# KiCad board testhologram v2.kicad_pcb (continued)
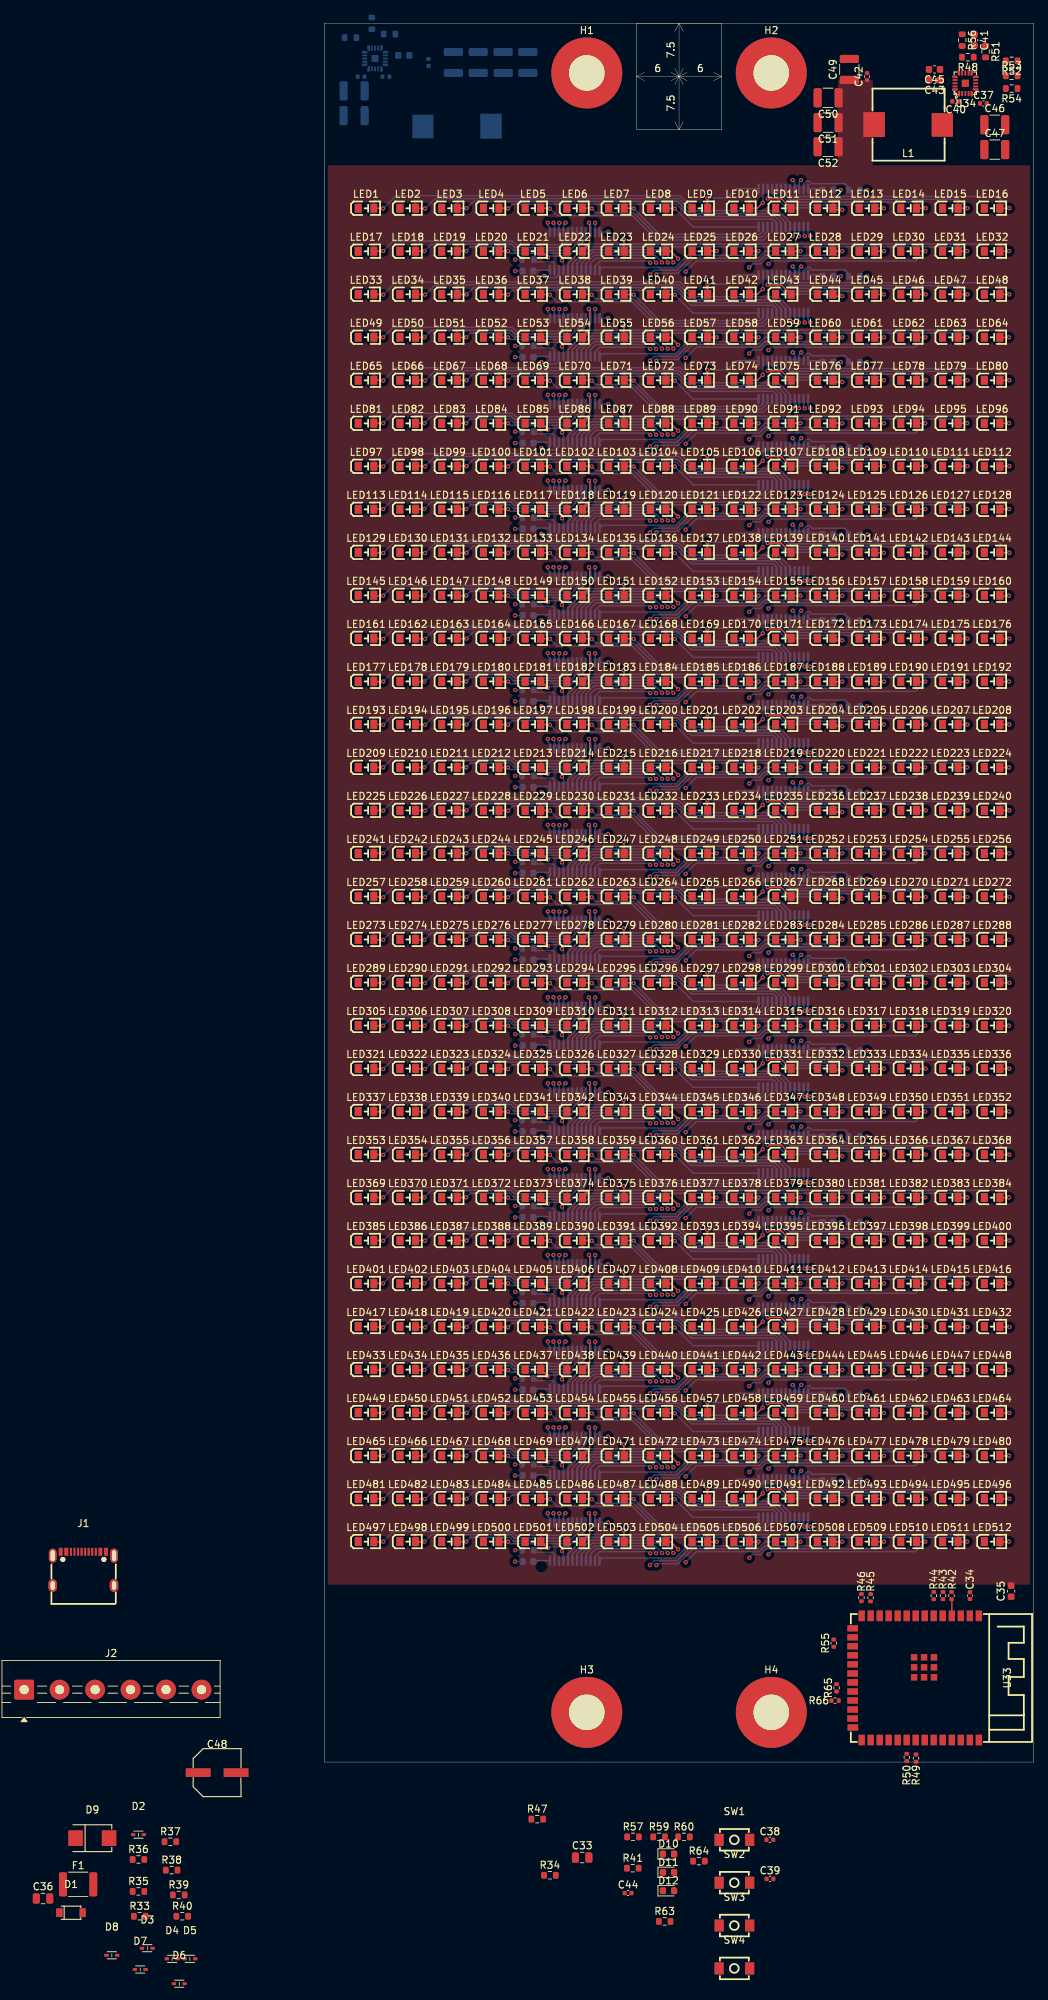
[diagram p0: board, top side]
## Placement (name value [footprint] x y rotation side) (continued)
LED279  0805G (Green)  [LED0805-RD]  41.18 115.91 0 top
LED280  0805G (Green)  [LED0805-RD]  47.06 115.91 0 top
LED281  0805G (Green)  [LED0805-RD]  52.94 115.91 0 top
LED282  0805G (Green)  [LED0805-RD]  58.82 115.91 0 top
LED283  0805G (Green)  [LED0805-RD]  64.71 115.91 0 top
LED284  0805G (Green)  [LED0805-RD]  70.59 115.91 0 top
LED285  0805G (Green)  [LED0805-RD]  76.47 115.91 0 top
LED286  0805G (Green)  [LED0805-RD]  82.35 115.91 0 top
LED287  0805G (Green)  [LED0805-RD]  88.24 115.91 0 top
LED288  0805G (Green)  [LED0805-RD]  94.12 115.91 0 top
LED289  0805G (Green)  [LED0805-RD]  5.88 109.85 0 top
LED290  0805G (Green)  [LED0805-RD]  11.76 109.85 0 top
LED291  0805G (Green)  [LED0805-RD]  17.65 109.85 0 top
LED292  0805G (Green)  [LED0805-RD]  23.53 109.85 0 top
LED293  0805G (Green)  [LED0805-RD]  29.41 109.85 0 top
LED294  0805G (Green)  [LED0805-RD]  35.29 109.85 0 top
LED295  0805G (Green)  [LED0805-RD]  41.18 109.85 0 top
LED296  0805G (Green)  [LED0805-RD]  47.06 109.85 0 top
LED297  0805G (Green)  [LED0805-RD]  52.94 109.85 0 top
LED298  0805G (Green)  [LED0805-RD]  58.82 109.85 0 top
LED299  0805G (Green)  [LED0805-RD]  64.71 109.85 0 top
LED300  0805G (Green)  [LED0805-RD]  70.59 109.85 0 top
LED301  0805G (Green)  [LED0805-RD]  76.47 109.85 0 top
LED302  0805G (Green)  [LED0805-RD]  82.35 109.85 0 top
LED303  0805G (Green)  [LED0805-RD]  88.24 109.85 0 top
LED304  0805G (Green)  [LED0805-RD]  94.12 109.85 0 top
LED305  0805G (Green)  [LED0805-RD]  5.88 103.79 0 top
LED306  0805G (Green)  [LED0805-RD]  11.76 103.79 0 top
LED307  0805G (Green)  [LED0805-RD]  17.65 103.79 0 top
LED308  0805G (Green)  [LED0805-RD]  23.53 103.79 0 top
LED309  0805G (Green)  [LED0805-RD]  29.41 103.79 0 top
LED310  0805G (Green)  [LED0805-RD]  35.29 103.79 0 top
LED311  0805G (Green)  [LED0805-RD]  41.18 103.79 0 top
LED312  0805G (Green)  [LED0805-RD]  47.06 103.79 0 top
LED313  0805G (Green)  [LED0805-RD]  52.94 103.79 0 top
LED314  0805G (Green)  [LED0805-RD]  58.82 103.79 0 top
LED315  0805G (Green)  [LED0805-RD]  64.71 103.79 0 top
LED316  0805G (Green)  [LED0805-RD]  70.59 103.79 0 top
LED317  0805G (Green)  [LED0805-RD]  76.47 103.79 0 top
LED318  0805G (Green)  [LED0805-RD]  82.35 103.79 0 top
LED319  0805G (Green)  [LED0805-RD]  88.24 103.79 0 top
LED320  0805G (Green)  [LED0805-RD]  94.12 103.79 0 top
LED321  0805G (Green)  [LED0805-RD]  5.88 97.73 0 top
LED322  0805G (Green)  [LED0805-RD]  11.76 97.73 0 top
LED323  0805G (Green)  [LED0805-RD]  17.65 97.73 0 top
LED324  0805G (Green)  [LED0805-RD]  23.53 97.73 0 top
LED325  0805G (Green)  [LED0805-RD]  29.41 97.73 0 top
LED326  0805G (Green)  [LED0805-RD]  35.29 97.73 0 top
LED327  0805G (Green)  [LED0805-RD]  41.18 97.73 0 top
LED328  0805G (Green)  [LED0805-RD]  47.06 97.73 0 top
LED329  0805G (Green)  [LED0805-RD]  52.94 97.73 0 top
LED330  0805G (Green)  [LED0805-RD]  58.82 97.73 0 top
LED331  0805G (Green)  [LED0805-RD]  64.71 97.73 0 top
LED332  0805G (Green)  [LED0805-RD]  70.59 97.73 0 top
LED333  0805G (Green)  [LED0805-RD]  76.47 97.73 0 top
LED334  0805G (Green)  [LED0805-RD]  82.35 97.73 0 top
LED335  0805G (Green)  [LED0805-RD]  88.24 97.73 0 top
LED336  0805G (Green)  [LED0805-RD]  94.12 97.73 0 top
LED337  0805G (Green)  [LED0805-RD]  5.88 91.67 0 top
LED338  0805G (Green)  [LED0805-RD]  11.76 91.67 0 top
LED339  0805G (Green)  [LED0805-RD]  17.65 91.67 0 top
LED340  0805G (Green)  [LED0805-RD]  23.53 91.67 0 top
LED341  0805G (Green)  [LED0805-RD]  29.41 91.67 0 top
LED342  0805G (Green)  [LED0805-RD]  35.29 91.67 0 top
LED343  0805G (Green)  [LED0805-RD]  41.18 91.67 0 top
LED344  0805G (Green)  [LED0805-RD]  47.06 91.67 0 top
LED345  0805G (Green)  [LED0805-RD]  52.94 91.67 0 top
LED346  0805G (Green)  [LED0805-RD]  58.82 91.67 0 top
LED347  0805G (Green)  [LED0805-RD]  64.71 91.67 0 top
LED348  0805G (Green)  [LED0805-RD]  70.59 91.67 0 top
LED349  0805G (Green)  [LED0805-RD]  76.47 91.67 0 top
LED350  0805G (Green)  [LED0805-RD]  82.35 91.67 0 top
LED351  0805G (Green)  [LED0805-RD]  88.24 91.67 0 top
LED352  0805G (Green)  [LED0805-RD]  94.12 91.67 0 top
LED353  0805G (Green)  [LED0805-RD]  5.88 85.61 0 top
LED354  0805G (Green)  [LED0805-RD]  11.76 85.61 0 top
LED355  0805G (Green)  [LED0805-RD]  17.65 85.61 0 top
LED356  0805G (Green)  [LED0805-RD]  23.53 85.61 0 top
LED357  0805G (Green)  [LED0805-RD]  29.41 85.61 0 top
LED358  0805G (Green)  [LED0805-RD]  35.29 85.61 0 top
LED359  0805G (Green)  [LED0805-RD]  41.18 85.61 0 top
LED360  0805G (Green)  [LED0805-RD]  47.06 85.61 0 top
LED361  0805G (Green)  [LED0805-RD]  52.94 85.61 0 top
LED362  0805G (Green)  [LED0805-RD]  58.82 85.61 0 top
LED363  0805G (Green)  [LED0805-RD]  64.71 85.61 0 top
LED364  0805G (Green)  [LED0805-RD]  70.59 85.61 0 top
LED365  0805G (Green)  [LED0805-RD]  76.47 85.61 0 top
LED366  0805G (Green)  [LED0805-RD]  82.35 85.61 0 top
LED367  0805G (Green)  [LED0805-RD]  88.24 85.61 0 top
LED368  0805G (Green)  [LED0805-RD]  94.12 85.61 0 top
LED369  0805G (Green)  [LED0805-RD]  5.88 79.55 0 top
LED370  0805G (Green)  [LED0805-RD]  11.76 79.55 0 top
LED371  0805G (Green)  [LED0805-RD]  17.65 79.55 0 top
LED372  0805G (Green)  [LED0805-RD]  23.53 79.55 0 top
LED373  0805G (Green)  [LED0805-RD]  29.41 79.55 0 top
LED374  0805G (Green)  [LED0805-RD]  35.29 79.55 0 top
LED375  0805G (Green)  [LED0805-RD]  41.18 79.55 0 top
LED376  0805G (Green)  [LED0805-RD]  47.06 79.55 0 top
LED377  0805G (Green)  [LED0805-RD]  52.94 79.55 0 top
LED378  0805G (Green)  [LED0805-RD]  58.82 79.55 0 top
LED379  0805G (Green)  [LED0805-RD]  64.71 79.55 0 top
LED380  0805G (Green)  [LED0805-RD]  70.59 79.55 0 top
LED381  0805G (Green)  [LED0805-RD]  76.47 79.55 0 top
LED382  0805G (Green)  [LED0805-RD]  82.35 79.55 0 top
LED383  0805G (Green)  [LED0805-RD]  88.24 79.55 0 top
LED384  0805G (Green)  [LED0805-RD]  94.12 79.55 0 top
LED385  0805G (Green)  [LED0805-RD]  5.88 73.48 0 top
LED386  0805G (Green)  [LED0805-RD]  11.76 73.48 0 top
LED387  0805G (Green)  [LED0805-RD]  17.65 73.48 0 top
LED388  0805G (Green)  [LED0805-RD]  23.53 73.48 0 top
LED389  0805G (Green)  [LED0805-RD]  29.41 73.48 0 top
LED390  0805G (Green)  [LED0805-RD]  35.29 73.48 0 top
LED391  0805G (Green)  [LED0805-RD]  41.18 73.48 0 top
LED392  0805G (Green)  [LED0805-RD]  47.06 73.48 0 top
LED393  0805G (Green)  [LED0805-RD]  52.94 73.48 0 top
LED394  0805G (Green)  [LED0805-RD]  58.82 73.48 0 top
LED395  0805G (Green)  [LED0805-RD]  64.71 73.48 0 top
LED396  0805G (Green)  [LED0805-RD]  70.59 73.48 0 top
LED397  0805G (Green)  [LED0805-RD]  76.47 73.48 0 top
LED398  0805G (Green)  [LED0805-RD]  82.35 73.48 0 top
LED399  0805G (Green)  [LED0805-RD]  88.24 73.48 0 top
LED400  0805G (Green)  [LED0805-RD]  94.12 73.48 0 top
LED401  0805G (Green)  [LED0805-RD]  5.88 67.42 0 top
LED402  0805G (Green)  [LED0805-RD]  11.76 67.42 0 top
LED403  0805G (Green)  [LED0805-RD]  17.65 67.42 0 top
LED404  0805G (Green)  [LED0805-RD]  23.53 67.42 0 top
LED405  0805G (Green)  [LED0805-RD]  29.41 67.42 0 top
LED406  0805G (Green)  [LED0805-RD]  35.29 67.42 0 top
LED407  0805G (Green)  [LED0805-RD]  41.18 67.42 0 top
LED408  0805G (Green)  [LED0805-RD]  47.06 67.42 0 top
LED409  0805G (Green)  [LED0805-RD]  52.94 67.42 0 top
LED410  0805G (Green)  [LED0805-RD]  58.82 67.42 0 top
LED411  0805G (Green)  [LED0805-RD]  64.71 67.42 0 top
LED412  0805G (Green)  [LED0805-RD]  70.59 67.42 0 top
LED413  0805G (Green)  [LED0805-RD]  76.47 67.42 0 top
LED414  0805G (Green)  [LED0805-RD]  82.35 67.42 0 top
LED415  0805G (Green)  [LED0805-RD]  88.24 67.42 0 top
LED416  0805G (Green)  [LED0805-RD]  94.12 67.42 0 top
LED417  0805G (Green)  [LED0805-RD]  5.88 61.36 0 top
LED418  0805G (Green)  [LED0805-RD]  11.76 61.36 0 top
LED419  0805G (Green)  [LED0805-RD]  17.65 61.36 0 top
LED420  0805G (Green)  [LED0805-RD]  23.53 61.36 0 top
LED421  0805G (Green)  [LED0805-RD]  29.41 61.36 0 top
LED422  0805G (Green)  [LED0805-RD]  35.29 61.36 0 top
LED423  0805G (Green)  [LED0805-RD]  41.18 61.36 0 top
LED424  0805G (Green)  [LED0805-RD]  47.06 61.36 0 top
LED425  0805G (Green)  [LED0805-RD]  52.94 61.36 0 top
LED426  0805G (Green)  [LED0805-RD]  58.82 61.36 0 top
LED427  0805G (Green)  [LED0805-RD]  64.71 61.36 0 top
LED428  0805G (Green)  [LED0805-RD]  70.59 61.36 0 top
LED429  0805G (Green)  [LED0805-RD]  76.47 61.36 0 top
LED430  0805G (Green)  [LED0805-RD]  82.35 61.36 0 top
LED431  0805G (Green)  [LED0805-RD]  88.24 61.36 0 top
LED432  0805G (Green)  [LED0805-RD]  94.12 61.36 0 top
LED433  0805G (Green)  [LED0805-RD]  5.88 55.3 0 top
LED434  0805G (Green)  [LED0805-RD]  11.76 55.3 0 top
LED435  0805G (Green)  [LED0805-RD]  17.65 55.3 0 top
LED436  0805G (Green)  [LED0805-RD]  23.53 55.3 0 top
LED437  0805G (Green)  [LED0805-RD]  29.41 55.3 0 top
LED438  0805G (Green)  [LED0805-RD]  35.29 55.3 0 top
LED439  0805G (Green)  [LED0805-RD]  41.18 55.3 0 top
LED440  0805G (Green)  [LED0805-RD]  47.06 55.3 0 top
LED441  0805G (Green)  [LED0805-RD]  52.94 55.3 0 top
LED442  0805G (Green)  [LED0805-RD]  58.82 55.3 0 top
LED443  0805G (Green)  [LED0805-RD]  64.71 55.3 0 top
LED444  0805G (Green)  [LED0805-RD]  70.59 55.3 0 top
LED445  0805G (Green)  [LED0805-RD]  76.47 55.3 0 top
LED446  0805G (Green)  [LED0805-RD]  82.35 55.3 0 top
LED447  0805G (Green)  [LED0805-RD]  88.24 55.3 0 top
LED448  0805G (Green)  [LED0805-RD]  94.12 55.3 0 top
LED449  0805G (Green)  [LED0805-RD]  5.88 49.24 0 top
LED450  0805G (Green)  [LED0805-RD]  11.76 49.24 0 top
LED451  0805G (Green)  [LED0805-RD]  17.65 49.24 0 top
LED452  0805G (Green)  [LED0805-RD]  23.53 49.24 0 top
LED453  0805G (Green)  [LED0805-RD]  29.41 49.24 0 top
LED454  0805G (Green)  [LED0805-RD]  35.29 49.24 0 top
LED455  0805G (Green)  [LED0805-RD]  41.18 49.24 0 top
LED456  0805G (Green)  [LED0805-RD]  47.06 49.24 0 top
LED457  0805G (Green)  [LED0805-RD]  52.94 49.24 0 top
LED458  0805G (Green)  [LED0805-RD]  58.82 49.24 0 top
LED459  0805G (Green)  [LED0805-RD]  64.71 49.24 0 top
LED460  0805G (Green)  [LED0805-RD]  70.59 49.24 0 top
LED461  0805G (Green)  [LED0805-RD]  76.47 49.24 0 top
LED462  0805G (Green)  [LED0805-RD]  82.35 49.24 0 top
LED463  0805G (Green)  [LED0805-RD]  88.24 49.24 0 top
LED464  0805G (Green)  [LED0805-RD]  94.12 49.24 0 top
LED465  0805G (Green)  [LED0805-RD]  5.88 43.18 0 top
LED466  0805G (Green)  [LED0805-RD]  11.76 43.18 0 top
LED467  0805G (Green)  [LED0805-RD]  17.65 43.18 0 top
LED468  0805G (Green)  [LED0805-RD]  23.53 43.18 0 top
LED469  0805G (Green)  [LED0805-RD]  29.41 43.18 0 top
LED470  0805G (Green)  [LED0805-RD]  35.29 43.18 0 top
LED471  0805G (Green)  [LED0805-RD]  41.18 43.18 0 top
LED472  0805G (Green)  [LED0805-RD]  47.06 43.18 0 top
LED473  0805G (Green)  [LED0805-RD]  52.94 43.18 0 top
LED474  0805G (Green)  [LED0805-RD]  58.82 43.18 0 top
LED475  0805G (Green)  [LED0805-RD]  64.71 43.18 0 top
LED476  0805G (Green)  [LED0805-RD]  70.59 43.18 0 top
LED477  0805G (Green)  [LED0805-RD]  76.47 43.18 0 top
LED478  0805G (Green)  [LED0805-RD]  82.35 43.18 0 top
LED479  0805G (Green)  [LED0805-RD]  88.24 43.18 0 top
LED480  0805G (Green)  [LED0805-RD]  94.12 43.18 0 top
LED481  0805G (Green)  [LED0805-RD]  5.88 37.12 0 top
LED482  0805G (Green)  [LED0805-RD]  11.76 37.12 0 top
LED483  0805G (Green)  [LED0805-RD]  17.65 37.12 0 top
LED484  0805G (Green)  [LED0805-RD]  23.53 37.12 0 top
LED485  0805G (Green)  [LED0805-RD]  29.41 37.12 0 top
LED486  0805G (Green)  [LED0805-RD]  35.29 37.12 0 top
LED487  0805G (Green)  [LED0805-RD]  41.18 37.12 0 top
LED488  0805G (Green)  [LED0805-RD]  47.06 37.12 0 top
LED489  0805G (Green)  [LED0805-RD]  52.94 37.12 0 top
LED490  0805G (Green)  [LED0805-RD]  58.82 37.12 0 top
LED491  0805G (Green)  [LED0805-RD]  64.71 37.12 0 top
LED492  0805G (Green)  [LED0805-RD]  70.59 37.12 0 top
LED493  0805G (Green)  [LED0805-RD]  76.47 37.12 0 top
LED494  0805G (Green)  [LED0805-RD]  82.35 37.12 0 top
LED495  0805G (Green)  [LED0805-RD]  88.24 37.12 0 top
LED496  0805G (Green)  [LED0805-RD]  94.12 37.12 0 top
LED497  0805G (Green)  [LED0805-RD]  5.88 31.06 0 top
LED498  0805G (Green)  [LED0805-RD]  11.76 31.06 0 top
LED499  0805G (Green)  [LED0805-RD]  17.65 31.06 0 top
LED500  0805G (Green)  [LED0805-RD]  23.53 31.06 0 top
LED501  0805G (Green)  [LED0805-RD]  29.41 31.06 0 top
LED502  0805G (Green)  [LED0805-RD]  35.29 31.06 0 top
LED503  0805G (Green)  [LED0805-RD]  41.18 31.06 0 top
LED504  0805G (Green)  [LED0805-RD]  47.06 31.06 0 top
LED505  0805G (Green)  [LED0805-RD]  52.94 31.06 0 top
LED506  0805G (Green)  [LED0805-RD]  58.82 31.06 0 top
LED507  0805G (Green)  [LED0805-RD]  64.71 31.06 0 top
LED508  0805G (Green)  [LED0805-RD]  70.59 31.06 0 top
LED509  0805G (Green)  [LED0805-RD]  76.47 31.06 0 top
LED510  0805G (Green)  [LED0805-RD]  82.35 31.06 0 top
LED511  0805G (Green)  [LED0805-RD]  88.24 31.06 0 top
LED512  0805G (Green)  [LED0805-RD]  94.12 31.06 0 top
R1  1.65k 0.25%  [R_0603_1608Metric]  74.7 221.5 180 bottom
R2  R_US  [R_0603_1608Metric]  28.7 211.7 0 bottom
R3  R_US  [R_0603_1608Metric]  74.7 209.35 180 bottom
R4  R_US  [R_0603_1608Metric]  28.7 199.55 0 bottom
R5  R_US  [R_0603_1608Metric]  74.7 197.25 180 bottom
R6  R_US  [R_0603_1608Metric]  28.7 187.45 0 bottom
R7  R_US  [R_0603_1608Metric]  74.7 185.15 180 bottom
R8  R_US  [R_0603_1608Metric]  28.7 175.35 0 bottom
R9  R_US  [R_0603_1608Metric]  74.7 172.95 180 bottom
R10  R_US  [R_0603_1608Metric]  28.7 163.15 0 bottom
R11  R_US  [R_0603_1608Metric]  74.7 160.85 180 bottom
R12  R_US  [R_0603_1608Metric]  28.7 151.05 0 bottom
R13  R_US  [R_0603_1608Metric]  74.7 148.75 180 bottom
R14  R_US  [R_0603_1608Metric]  28.7 138.95 0 bottom
R15  R_US  [R_0603_1608Metric]  74.7 136.65 180 bottom
R16  R_US  [R_0603_1608Metric]  28.7 126.85 0 bottom
R17  R_US  [R_0603_1608Metric]  74.7 124.45 180 bottom
R18  R_US  [R_0603_1608Metric]  28.7 114.65 0 bottom
R19  R_US  [R_0603_1608Metric]  74.7 112.35 180 bottom
R20  R_US  [R_0603_1608Metric]  28.7 102.55 0 bottom
R21  R_US  [R_0603_1608Metric]  74.7 100.25 180 bottom
R22  R_US  [R_0603_1608Metric]  28.7 90.45 0 bottom
R23  R_US  [R_0603_1608Metric]  74.7 88.15 180 bottom
R24  R_US  [R_0603_1608Metric]  28.7 78.35 0 bottom
R25  R_US  [R_0603_1608Metric]  74.7 76.05 180 bottom
R26  R_US  [R_0603_1608Metric]  28.7 66.25 0 bottom
R27  R_US  [R_0603_1608Metric]  74.7 63.85 180 bottom
R28  R_US  [R_0603_1608Metric]  28.7 54.05 0 bottom
R29  R_US  [R_0603_1608Metric]  74.7 51.75 180 bottom
R30  R_US  [R_0603_1608Metric]  28.7 41.95 0 bottom
R31  R_US  [R_0603_1608Metric]  74.7 39.65 180 bottom
R32  R_US  [R_0603_1608Metric]  28.7 29.85 0 bottom
R33  1M  [R_0603_1608Metric]  -26.01 -21.73 0 top
R34  10k  [R_0603_1608Metric]  31.8 -15.96 0 top
R35  5.11k  [R_0603_1608Metric]  -26.19 -18.23 0 top
R36  5.11k  [R_0603_1608Metric]  -26.19 -13.73 0 top
R37  2.2k  [R_0603_1608Metric]  -21.69 -11.23 0 top
R38  2.2k  [R_0603_1608Metric]  -21.51 -15.23 0 top
R39  2.2k  [R_0603_1608Metric]  -20.51 -18.73 0 top
R40  100k  [R_0603_1608Metric]  -20.01 -21.73 0 top
R41  10k  [R_0603_1608Metric]  43.48 -14.96 0 top
R42  33  [R_0402_1005Metric]  88.4 23.45 90 top
R43  33  [R_0402_1005Metric]  87.2 23.45 90 top
R44  33  [R_0402_1005Metric]  85.9 23.45 90 top
R45  33  [R_0402_1005Metric]  77 23.15 90 top
R46  33  [R_0402_1005Metric]  75.7 23.16 90 top
R47  10k  [R_0603_1608Metric]  30.01 -8.05 0 top
R48  75k  [R_0603_1608Metric]  90.7 240.22 180 top
R49  33  [R_0402_1005Metric]  83.4 0.55 90 top
R50  33  [R_0402_1005Metric]  82.1 0.65 90 top
R51  13k  [R_0603_1608Metric]  93.2 241.03 270 top
R52  100k  [R_0603_1608Metric]  96.88 239.7 180 top
R53  100k  [R_0603_1608Metric]  96.88 237.6 0 top
R54  47k  [R_0603_1608Metric]  96.88 235.8 180 top
R55  33  [R_0402_1005Metric]  71.8 16.75 90 top
R56  dnp  [R_0603_1608Metric]  89.9 242.62 270 top  (not fitted)
R57  1.5k  [R_0603_1608Metric]  43.51 -10.55 0 top
R58  100k  [R_0603_1608Metric]  3.7 242.98 0 bottom
R59  1.2k  [R_0603_1608Metric]  47.19 -10.55 0 top
R60  330  [R_0603_1608Metric]  50.69 -10.55 0 top
R61  45k  [R_0603_1608Metric]  9.2 243.48 180 bottom
R62  10k  [R_0603_1608Metric]  6.7 244.98 90 bottom
R63  47k  [R_0603_1608Metric]  47.98 -22.46 0 top
R64  47k  [R_0603_1608Metric]  52.8 -13.96 0 top
R65  33  [R_0402_1005Metric]  72.2 10.45 90 top
R66  33  [R_0402_1005Metric]  72 8.65 180 top
SW1  SW_Reset  [KEY-SMD_L4.0-W3.0-LS4.9-1]  57.8 -10.96 0 top
SW2  SW_Boot  [KEY-SMD_L4.0-W3.0-LS4.9-1]  57.8 -17 0 top
SW3  SW_opt1  [KEY-SMD_L4.0-W3.0-LS4.9-1]  57.8 -23.04 0 top
SW4  SW_opt2  [KEY-SMD_L4.0-W3.0-LS4.9-1]  57.8 -29.08 0 top
U1  SM16106SC  [QSOP-24_L8.7-W4.0-P0.64-LS6.0-BL]  64.7 219 180 bottom
U2  SM16106SC  [QSOP-24_L8.7-W4.0-P0.64-LS6.0-BL]  35.3 212.9 0 bottom
U3  SM16106SC  [QSOP-24_L8.7-W4.0-P0.64-LS6.0-BL]  64.7 206.85 180 bottom
U4  SM16106SC  [QSOP-24_L8.7-W4.0-P0.64-LS6.0-BL]  35.3 200.75 0 bottom
U5  SM16106SC  [QSOP-24_L8.7-W4.0-P0.64-LS6.0-BL]  64.7 194.75 180 bottom
U6  SM16106SC  [QSOP-24_L8.7-W4.0-P0.64-LS6.0-BL]  35.3 188.65 0 bottom
U7  SM16106SC  [QSOP-24_L8.7-W4.0-P0.64-LS6.0-BL]  64.7 182.65 180 bottom
U8  SM16106SC  [QSOP-24_L8.7-W4.0-P0.64-LS6.0-BL]  35.3 176.55 0 bottom
U9  SM16106SC  [QSOP-24_L8.7-W4.0-P0.64-LS6.0-BL]  64.7 170.45 180 bottom
U10  SM16106SC  [QSOP-24_L8.7-W4.0-P0.64-LS6.0-BL]  35.3 164.35 0 bottom
U11  SM16106SC  [QSOP-24_L8.7-W4.0-P0.64-LS6.0-BL]  64.7 158.35 180 bottom
U12  SM16106SC  [QSOP-24_L8.7-W4.0-P0.64-LS6.0-BL]  35.3 152.25 0 bottom
U13  SM16106SC  [QSOP-24_L8.7-W4.0-P0.64-LS6.0-BL]  64.7 146.25 180 bottom
U14  SM16106SC  [QSOP-24_L8.7-W4.0-P0.64-LS6.0-BL]  35.3 140.15 0 bottom
U15  SM16106SC  [QSOP-24_L8.7-W4.0-P0.64-LS6.0-BL]  64.7 134.15 180 bottom
U16  SM16106SC  [QSOP-24_L8.7-W4.0-P0.64-LS6.0-BL]  35.3 128.05 0 bottom
U17  SM16106SC  [QSOP-24_L8.7-W4.0-P0.64-LS6.0-BL]  64.7 121.95 180 bottom
U18  SM16106SC  [QSOP-24_L8.7-W4.0-P0.64-LS6.0-BL]  35.3 115.85 0 bottom
U19  SM16106SC  [QSOP-24_L8.7-W4.0-P0.64-LS6.0-BL]  64.7 109.85 180 bottom
U20  SM16106SC  [QSOP-24_L8.7-W4.0-P0.64-LS6.0-BL]  35.3 103.75 0 bottom
U21  SM16106SC  [QSOP-24_L8.7-W4.0-P0.64-LS6.0-BL]  64.7 97.75 180 bottom
U22  SM16106SC  [QSOP-24_L8.7-W4.0-P0.64-LS6.0-BL]  35.3 91.65 0 bottom
U23  SM16106SC  [QSOP-24_L8.7-W4.0-P0.64-LS6.0-BL]  64.7 85.65 180 bottom
U24  SM16106SC  [QSOP-24_L8.7-W4.0-P0.64-LS6.0-BL]  35.3 79.55 0 bottom
U25  SM16106SC  [QSOP-24_L8.7-W4.0-P0.64-LS6.0-BL]  64.7 73.55 180 bottom
U26  SM16106SC  [QSOP-24_L8.7-W4.0-P0.64-LS6.0-BL]  35.3 67.45 0 bottom
U27  SM16106SC  [QSOP-24_L8.7-W4.0-P0.64-LS6.0-BL]  64.7 61.35 180 bottom
U28  SM16106SC  [QSOP-24_L8.7-W4.0-P0.64-LS6.0-BL]  35.3 55.25 0 bottom
U29  SM16106SC  [QSOP-24_L8.7-W4.0-P0.64-LS6.0-BL]  64.7 49.25 180 bottom
U30  SM16106SC  [QSOP-24_L8.7-W4.0-P0.64-LS6.0-BL]  35.3 43.15 0 bottom
U31  SM16106SC  [QSOP-24_L8.7-W4.0-P0.64-LS6.0-BL]  64.7 37.15 180 bottom
U32  SM16106SC  [QSOP-24_L8.7-W4.0-P0.64-LS6.0-BL]  35.3 31.05 0 bottom
U33  ESP32-S3-WROOM-1(N16R8)  [WIRELM-SMD_ESP32-S3-WROOM-1]  83.36 11.85 270 top
U34  SY8286ARAC 12v->4v  [QFN-20_L3.0-W3.0-P0.45-BL-EP1.0]  90.35 236.55 0 top
U36  SY8286ARAC 12v->3.3v  [QFN-20_L3.0-W3.0-P0.45-BL-EP1.0]  7.15 240.03 180 bottom

## Library data of the parts
C1-C57 C60-C64 = -: Description: Unpolarized capacitor, small symbol; ki_fp_filters: C_*
D1 = -: Description: Diode; Sim.Device: D; Sim.Pins: 1=K 2=A; ki_fp_filters: TO-???* *_Diode_* *SingleDiode* D_*
D2-D8 = -: Description: Bidirectional transient-voltage-suppression diode; ki_fp_filters: TO-???* *_Diode_* *SingleDiode* D_*
D9 = -: Datasheet: https://lcsc.com/product-detail/TVS_SMBJ13A_C10209.html; Description: Bidirectional transient-voltage-suppression diode; LCSC Part: C10209
D10-D12 = -: Description: Light emitting diode, small symbol; Sim.Pin: 1=K 2=A; ki_fp_filters: LED* LED_SMD:* LED_THT:*
F1 = -: Description: Resettable fuse, polymeric positive temperature coefficient, small symbol; ki_fp_filters: *polyfuse* *PTC*
H1-H4 = -: Description: Mounting Hole without connection; ki_fp_filters: MountingHole*
J1 = -: Datasheet: https://www.usb.org/sites/default/files/documents/usb_type-c.zip; Description: USB 2.0-only 16P Type-C Receptacle connector; ki_fp_filters: USB*C*Receptacle*
J2 = -: Description: Generic screw terminal, single row, 01x06, script generated (kicad-library-utils/schlib/autogen/connector/); ki_fp_filters: TerminalBlock*:*
L1 L2 = -: Description: Inductor; ki_fp_filters: Choke_* *Coil* Inductor_* L_*
LED1-LED512 = -: Description: Light emitting diode; LCSC Part: C2297; Sim.Pins: 1=K 2=A; ki_fp_filters: LED* LED_SMD:* LED_THT:*
R1-R32 = -: Description: Resistor, US symbol; ki_fp_filters: R_*
R33-R66 = -: Description: Resistor, small US symbol; ki_fp_filters: R_*
SW1 SW2 = -: Description: Push button switch, generic, two pins
SW3 SW4 = -: Description: Single Pole Single Throw (SPST) switch
U1-U32 = -: Datasheet: https://lcsc.com/product-detail/LED-Drivers_SM16106SC_C121618.html; LCSC Part: C121618
U33 = -: LCSC Part: C2913202
U34 U36 = -: Datasheet: https://lcsc.com/product-detail/DC-DC-Converters_Silergy_SY8286ARAC_SY8286ARAC_C178251.html; LCSC Part: C178251

## Footprints (pads in the part's own frame, mm; a bottom-side part is the same pattern mirrored in y, then rotated)
C_0402_1005Metric
  rrect 0.56x0.62 smd: 1(-0.48,0) 2(0.48,0)
C_0603_1608Metric
  rrect 0.9x0.95 smd: 1(-0.775,0) 2(0.775,0)
C_0805_2012Metric
  rrect 1x1.45 smd: 1(-0.95,0) 2(0.95,0)
C_1210_3225Metric
  rrect 1.15x2.7 smd: 1(-1.475,0) 2(1.475,0)
CAP-SMD_BD6.3-L6.6-W6.6-LS7.3-FD
  rect 3.5x1.2 smd: 1(-2.67,0) 2(2.67,0)
Fuse_1812_4532Metric
  rrect 1.125x3.4 smd: 1(-2.138,0) 2(2.138,0)
IND-SMD_L10.8-W10.0
  rect 3x3.3 smd: 1(-4.8,0.02)
  rect 3x3.5 smd: 2(4.8,-0.02)
KEY-SMD_L4.0-W3.0-LS4.9-1
  rect 1.3x1.7 smd: 1(-2.16,0) 2(2.16,0)
LED0805-RD
  rect 1x1.25 smd: 1(-1.1,0) 2(1.1,0)
LED_0603_1608Metric
  rrect 0.875x0.95 smd: 1(-0.787,0) 2(0.787,0)
MountingHole_5mm_Pad
  round 10 hole 5: 1(0,0)
QFN-20_L3.0-W3.0-P0.45-BL-EP1.0
  custom 0.35x0.81 smd: 1(-0.9,-1.46) 11(0.9,1.46) 15(-0.9,1.46)
  rect 0.25x0.7 smd: 2(-0.45,-1.45) 3(0,-1.45) 4(0.45,-1.45) 12(0.45,1.45) 13(0,1.45) 14(-0.45,1.45)
  custom 0.35x0.8 smd: 5(0.9,-1.46)
  custom 0.8x0.35 smd: 6(1.45,-0.9) 10(1.45,0.9) 16(-1.45,0.9) 20(-1.45,-0.9)
  rect 0.7x0.25 smd: 7(1.45,-0.45) 8(1.45,0) 9(1.45,0.45) 17(-1.45,0.45) 18(-1.45,0) 19(-1.45,-0.45)
  rect 1x1 smd: 21(0,0)
QSOP-24_L8.7-W4.0-P0.64-LS6.0-BL
  oval 0.36x1.5 smd: 1(-3.49,-2.69) 2(-2.86,-2.69) 3(-2.22,-2.69) 4(-1.59,-2.69) 5(-0.95,-2.69) 6(-0.32,-2.69) 7(0.32,-2.69) 8(0.95,-2.69) 9(1.59,-2.69) 10(2.22,-2.69) 11(2.86,-2.69) 12(3.49,-2.69) 13(3.49,2.69) 14(2.86,2.69) 15(2.22,2.69) 16(1.59,2.69) 17(0.95,2.69) 18(0.32,2.69) 19(-0.32,2.69) 20(-0.95,2.69) 21(-1.59,2.69) 22(-2.22,2.69) 23(-2.86,2.69) 24(-3.49,2.69)
R_0402_1005Metric
  rrect 0.54x0.64 smd: 1(-0.51,0) 2(0.51,0)
R_0603_1608Metric
  rrect 0.8x0.95 smd: 1(-0.825,0) 2(0.825,0)
SMB_L4.6-W3.6-LS5.3-RD
  rect 2.05x2.19 smd: 1(-2.36,0) 2(2.36,0)
SOD-123_L2.7-W1.6-LS3.7-RD
  rect 0.91x1.22 smd: 1(-1.64,0) 2(1.64,0)
SOD-523_L1.2-W0.8-LS1.6-BI
  rect 0.6x0.4 smd: 1(-0.75,0) 2(0.75,0)
TerminalBlock_MaiXu_MX126-5.0-06P_1x06_P5.00mm
  rrect 2.8x2.8 hole 1.3: 1(0,0)
  round 2.8 hole 1.3: 2(5,0) 3(10,0) 4(15,0) 5(20,0) 6(25,0)
USB-C-SMD_TYPE-C-6PIN-2MD-073
  round 0.7 hole 0.7: (-2.89,1.3) (2.89,1.3)
  rect 0.55x1.1 smd: 1(-3.2,2.38) 2(-2.4,2.38) 11(2.4,2.38) 12(3.2,2.38)
  rect 0.3x1.1 smd: 3(-1.75,2.38) 4(-1.25,2.38) 5(-0.75,2.38) 6(-0.25,2.38) 7(0.25,2.38) 8(0.75,2.38) 9(1.25,2.38) 10(1.75,2.38)
  oval 1.1x2 hole 0.6x1.5: 13(-4.32,1.83) 14(4.32,1.83)
  oval 1.2x1.8 hole 0.6x1.2: 13(-4.32,-2.38) 14(4.32,-2.38)
WIRELM-SMD_ESP32-S3-WROOM-1
  rect 1.5x0.9 smd: 1(-8.75,8.89) 2(-8.75,7.62) 3(-8.75,6.35) 4(-8.75,5.08) 5(-8.75,3.81) 6(-8.75,2.54) 7(-8.75,1.27) 8(-8.75,0) 9(-8.75,-1.27) 10(-8.75,-2.54) 11(-8.75,-3.81) 12(-8.75,-5.08) 13(-8.75,-6.35) 14(-8.75,-7.62) 27(8.75,-7.62) 28(8.75,-6.35) 29(8.75,-5.08) 30(8.75,-3.81) 31(8.75,-2.54) 32(8.75,-1.27) 33(8.75,0) 34(8.75,1.27) 35(8.75,2.54) 36(8.75,3.81) 37(8.75,5.08) 38(8.75,6.35) 39(8.75,7.62) 40(8.75,8.89)
  rect 0.9x1.5 smd: 15(-6.99,-8.89) 16(-5.72,-8.89) 17(-4.45,-8.89) 18(-3.18,-8.89) 19(-1.91,-8.89) 20(-0.63,-8.89) 21(0.63,-8.89) 22(1.9,-8.89) 23(3.17,-8.89) 24(4.45,-8.89) 25(5.72,-8.89) 26(6.99,-8.86)
  rect 0.9x0.9 smd: 41(-2.9,2.57) 41(-2.9,1.17) 41(-2.9,-0.23) 41(-1.5,2.57) 41(-1.5,1.17) 41(-1.5,-0.23) 41(-0.1,2.57) 41(-0.1,1.17) 41(-0.1,-0.23)

## Nets
+3.3V: C33.1 C34.1 C45.1 C60.1 C61.1 C62.1 C63.1 C64.1 L2.2 R34.1 R37.2 R38.2 R39.2 R41.1 R52.1 R54.1 R61.1 R63.2 R64.1 U33.2 U34.15
+5V: C36.1 D1.1
+12V: C37.1 C46.1 C47.1 C48.2 C53.1 C54.1 C55.1 D9.2 F1.1 R58.1 U34.2 U34.3 U34.4 U34.5 U36.2 U36.3 U36.4 U36.5
VCC: C41.1 C42.1 C49.1 C50.1 C51.1 C52.1 L1.2 LED1.2 LED2.2 LED3.2 LED4.2 LED5.2 LED6.2 LED7.2 LED8.2 LED9.2 LED10.2 LED11.2 LED12.2 LED13.2 LED14.2 LED15.2 LED16.2 LED17.2 LED18.2 LED19.2 LED20.2 LED21.2 LED22.2 LED23.2 LED24.2 LED25.2 LED26.2 LED27.2 LED28.2 LED29.2 LED30.2 LED31.2 LED32.2 LED33.2 LED34.2 LED35.2 LED36.2 LED37.2 LED38.2 LED39.2 LED40.2 LED41.2 LED42.2 LED43.2 LED44.2 LED45.2 LED46.2 LED47.2 LED48.2 LED49.2 LED50.2 LED51.2 LED52.2 LED53.2 LED54.2 LED55.2 LED56.2 LED57.2 LED58.2 LED59.2 LED60.2 LED61.2 LED62.2 LED63.2 LED64.2 LED65.2 LED66.2 LED67.2 LED68.2 LED69.2 LED70.2 LED71.2 LED72.2 LED73.2 LED74.2 LED75.2 LED76.2 LED77.2 LED78.2 LED79.2 LED80.2 LED81.2 LED82.2 LED83.2 LED84.2 LED85.2 LED86.2 LED87.2 LED88.2 LED89.2 LED90.2 LED91.2 LED92.2 LED93.2 LED94.2 LED95.2 LED96.2 LED97.2 LED98.2 LED99.2 LED100.2 LED101.2 LED102.2 LED103.2 LED104.2 LED105.2 LED106.2 LED107.2 LED108.2 LED109.2 LED110.2 LED111.2 LED112.2 LED113.2 LED114.2 LED115.2 LED116.2 LED117.2 LED118.2 LED119.2 LED120.2 LED121.2 LED122.2 LED123.2 LED124.2 LED125.2 LED126.2 LED127.2 LED128.2 LED129.2 LED130.2 LED131.2 LED132.2 LED133.2 LED134.2 LED135.2 LED136.2 LED137.2 LED138.2 LED139.2 LED140.2 LED141.2 LED142.2 LED143.2 LED144.2 LED145.2 LED146.2 LED147.2 LED148.2 LED149.2 LED150.2 LED151.2 LED152.2 LED153.2 LED154.2 LED155.2 LED156.2 LED157.2 LED158.2 LED159.2 LED160.2 LED161.2 LED162.2 LED163.2 LED164.2 LED165.2 LED166.2 LED167.2 LED168.2 LED169.2 LED170.2 LED171.2 LED172.2 LED173.2 LED174.2 LED175.2 LED176.2 LED177.2 LED178.2 LED179.2 LED180.2 LED181.2 LED182.2 LED183.2 LED184.2 LED185.2 LED186.2 LED187.2 LED188.2 LED189.2 LED190.2 LED191.2 LED192.2 LED193.2 LED194.2 LED195.2 LED196.2 LED197.2 LED198.2 LED199.2 LED200.2 LED201.2 LED202.2 LED203.2 LED204.2 LED205.2 LED206.2 LED207.2 LED208.2 LED209.2 LED210.2 LED211.2 LED212.2 LED213.2 LED214.2 LED215.2 LED216.2 LED217.2 LED218.2 LED219.2 LED220.2 LED221.2 LED222.2 LED223.2 LED224.2 LED225.2 LED226.2 LED227.2 LED228.2 LED229.2 LED230.2 LED231.2 LED232.2 LED233.2 LED234.2 LED235.2 LED236.2 LED237.2 LED238.2 LED239.2 LED240.2 LED241.2 LED242.2 LED243.2 LED244.2 LED245.2 LED246.2 LED247.2 LED248.2 LED249.2 LED250.2 LED251.2 LED252.2 LED253.2 LED254.2 LED255.2 LED256.2 LED257.2 LED258.2 LED259.2 LED260.2 LED261.2 LED262.2 LED263.2 LED264.2 LED265.2 LED266.2 LED267.2 LED268.2 LED269.2 LED270.2 LED271.2 LED272.2 LED273.2 LED274.2 LED275.2 LED276.2 LED277.2 LED278.2 LED279.2 LED280.2 LED281.2 LED282.2 LED283.2 LED284.2 LED285.2 LED286.2 LED287.2 LED288.2 LED289.2 LED290.2 LED291.2 LED292.2 LED293.2 LED294.2 LED295.2 LED296.2 LED297.2 LED298.2 LED299.2 LED300.2 LED301.2 LED302.2 LED303.2 LED304.2 LED305.2 LED306.2 LED307.2 LED308.2 LED309.2 LED310.2 LED311.2 LED312.2 LED313.2 LED314.2 LED315.2 LED316.2 LED317.2 LED318.2 LED319.2 LED320.2 LED321.2 LED322.2 LED323.2 LED324.2 LED325.2 LED326.2 LED327.2 LED328.2 LED329.2 LED330.2 LED331.2 LED332.2 LED333.2 LED334.2 LED335.2 LED336.2 LED337.2 LED338.2 LED339.2 LED340.2 LED341.2 LED342.2 LED343.2 LED344.2 LED345.2 LED346.2 LED347.2 LED348.2 LED349.2 LED350.2 LED351.2 LED352.2 LED353.2 LED354.2 LED355.2 LED356.2 LED357.2 LED358.2 LED359.2 LED360.2 LED361.2 LED362.2 LED363.2 LED364.2 LED365.2 LED366.2 LED367.2 LED368.2 LED369.2 LED370.2 LED371.2 LED372.2 LED373.2 LED374.2 LED375.2 LED376.2 LED377.2 LED378.2 LED379.2 LED380.2 LED381.2 LED382.2 LED383.2 LED384.2 LED385.2 LED386.2 LED387.2 LED388.2 LED389.2 LED390.2 LED391.2 LED392.2 LED393.2 LED394.2 LED395.2 LED396.2 LED397.2 LED398.2 LED399.2 LED400.2 LED401.2 LED402.2 LED403.2 LED404.2 LED405.2 LED406.2 LED407.2 LED408.2 LED409.2 LED410.2 LED411.2 LED412.2 LED413.2 LED414.2 LED415.2 LED416.2 LED417.2 LED418.2 LED419.2 LED420.2 LED421.2 LED422.2 LED423.2 LED424.2 LED425.2 LED426.2 LED427.2 LED428.2 LED429.2 LED430.2 LED431.2 LED432.2 LED433.2 LED434.2 LED435.2 LED436.2 LED437.2 LED438.2 LED439.2 LED440.2 LED441.2 LED442.2 LED443.2 LED444.2 LED445.2 LED446.2 LED447.2 LED448.2 LED449.2 LED450.2 LED451.2 LED452.2 LED453.2 LED454.2 LED455.2 LED456.2 LED457.2 LED458.2 LED459.2 LED460.2 LED461.2 LED462.2 LED463.2 LED464.2 LED465.2 LED466.2 LED467.2 LED468.2 LED469.2 LED470.2 LED471.2 LED472.2 LED473.2 LED474.2 LED475.2 LED476.2 LED477.2 LED478.2 LED479.2 LED480.2 LED481.2 LED482.2 LED483.2 LED484.2 LED485.2 LED486.2 LED487.2 LED488.2 LED489.2 LED490.2 LED491.2 LED492.2 LED493.2 LED494.2 LED495.2 LED496.2 LED497.2 LED498.2 LED499.2 LED500.2 LED501.2 LED502.2 LED503.2 LED504.2 LED505.2 LED506.2 LED507.2 LED508.2 LED509.2 LED510.2 LED511.2 LED512.2 R48.1
